# Altium PCB InsaneKeyboard.PcbDoc (part 3 of 3) (continued)
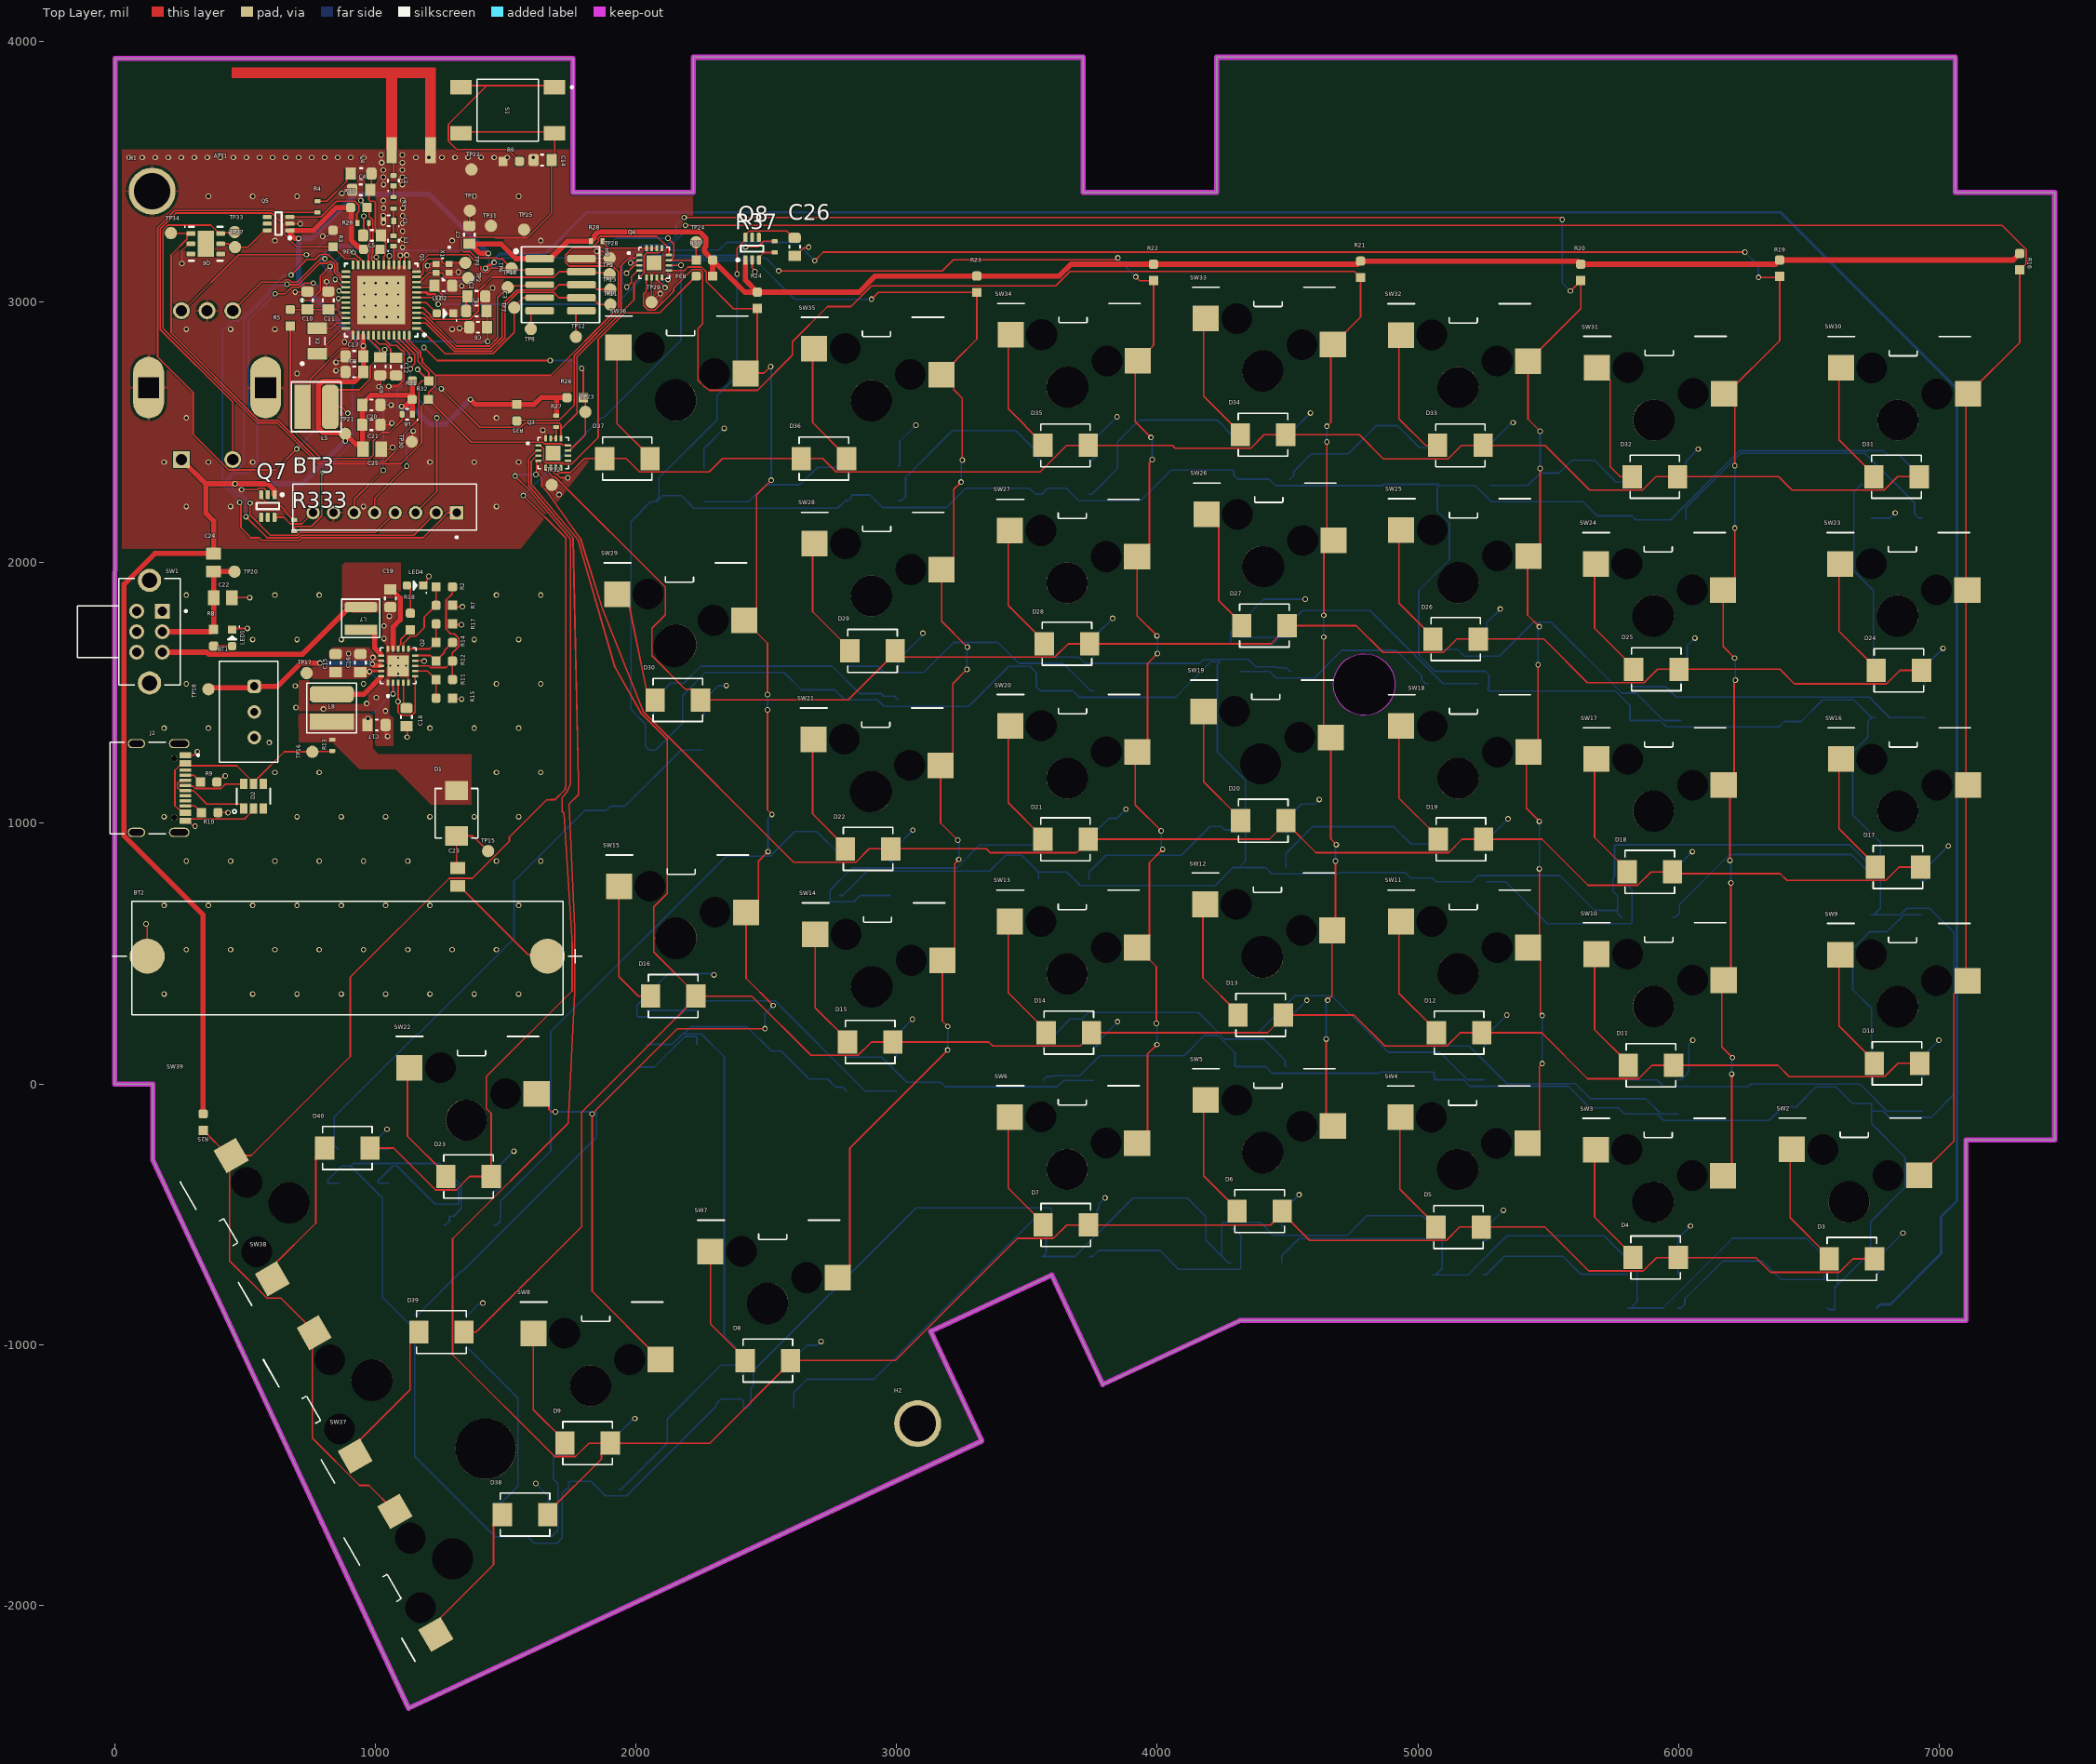
[diagram p0: Top Layer view]
## Nets (pads, with @x,y where several pads share a name; then routed paths per layer and width w, separated by ;. In a path a pad name is that pad's centre, name@x,y a point inside that pad or via, vN(x,y) a via of type N, cw(c..) or ccw(c..) an arc to the next point about the centre after c; other vN are vias at no path point) (continued)
  Bottom Layer w6: v2(480,2231) 413.94,2297.06 413.94,2888.69 452.05,2926.8 476.42,2926.8 588.5,3038.87 588.5,3042.39 646.11,3100 649.63,3100 652.63,3103 v4(677,3103)
  other v2: 677,3103
  other v3: 480,2231 677,3103
  other v4: 480,2231
RADIO_PA2: BT3.2 Q1.27 | length 2170.2
  Top Layer w6: v2(504,2176) 584.53,2095.47 705.55,2095.47 715.55,2105.47 1147.98,2105.47 BT3.2@1233.85,2191.35 ; v4(661.69,3067.69) 663.24,3066.13 705.1,3066.13 786.72,3147.75 814,3147.75 819.75,3153.5 834.25,3153.5 844.5,3143.25 844.5,3128.75 843.53,3127.78 843.53,3113.73 863.6,3093.66 863.6,3089.17 863.86,3088.9 863.86,3087.86 875.72,3076 Q1.27@887.53,3076
  Bottom Layer w6: v2(504,2176) 502.5,2177.5 502.5,2233.25 480.19,2255.56 469.58,2255.56 428.06,2297.09 428.06,2320.95 460.61,2353.5 467.35,2353.5 497,2383.15 497,2933.23 598.5,3034.73 598.5,3038.25 623.19,3062.94 658.17,3062.94 661.69,3066.45 v4(661.69,3067.69)
  other v2: 661.69,3067.69
  other v3: 504,2176 661.69,3067.69
  other v4: 504,2176
RADIO_PA3: BT3.4 Q1.28 | length 1960
  Top Layer w6: v3(520,2228) 520,2184.75 521.5,2183.25 521.5,2181.42 597.45,2105.47 701.4,2105.47 711.4,2115.47 1000.5,2115.47 BT3.4@1076.37,2191.35 ; v4(616,3031) 654.6,3031 679.73,3056.13 709.24,3056.13 719.24,3066.13 724.28,3066.13 730.21,3072.07 v2(762.37,3072.07) ; v2(846.36,3086.15) 846.36,3085.67 875.72,3056.31 Q1.28@887.53,3056.31
  Bottom Layer w6: v3(520,2228) 520,2229.89 484.33,2265.56 473.72,2265.56 438.06,2301.23 438.06,2316.81 464.75,2343.5 513.25,2343.5 547.5,2377.75 547.5,2550.44 513.35,2584.58 513.35,2928.35 v4(616,3031) ; v2(762.37,3072.07) 765.82,3072.07 777.88,3060 820.75,3060 846.36,3085.61 v2(846.36,3086.15)
  other v2: 520,2228 616,3031
  other v3: 616,3031 762.37,3072.07 846.36,3086.15
  other v4: 520,2228 762.37,3072.07 846.36,3086.15
RADIO_PA4: Q1.29 Q4.11 R30.1 TP24.1 | length 1933.1
  Top Layer w6: v1(860.63,3042.18) 864.06,3038.75 885.41,3038.75 Q1.29@887.53,3036.63 ; v1(2123,3244.31) 2145.31,3222 2145.31,3171.96 Q4.11@2133.19,3159.84 ; Q4.11@2126.5,3159.84 Q4.11@2133.19,3159.84 ; TP24.1@2231,3229 2231,3161.5 R30.1@2231.5,3161 2230.35,3159.84 Q4.11@2133.19,3159.84
  Bottom Layer w6: v1(860.63,3042.18) 868.88,3050.42 868.88,3097.88 848.25,3118.5 819.75,3118.5 790.5,3147.75 790.5,3156.75 789.25,3158 789.25,3172.5 799.5,3182.75 802,3182.75 836.87,3217.62 928.77,3217.62 940.39,3206 963.75,3206 973.75,3196 1112.25,3196 1113.25,3197 1398.25,3197 1437.75,3157.5 1437.75,3144.5 1448.75,3133.5 1463.25,3133.5 1473.5,3143.75 1473.5,3154.75 1487.25,3168.5 1848.25,3168.5 1924.06,3244.31 v1(2123,3244.31)
  other v1: 860.63,3042.18 860.63,3042.18 2123,3244.31 2123,3244.31
RADIO_PA5: Q1.30 Q3.11 R26.1 TP23.1 | length 1473.7
  Top Layer w6: v1(858.74,3012.84) 862.44,3016.54 887.12,3016.54 Q1.30@887.53,3016.94 ; v1(1187,2825) 1237,2775 v1(1671,2775) ; Q3.11@1739.5,2429.84 1746.19,2429.84 1806,2489.65 1806,2625.5 R26.1@1798.5,2633 1798.5,2738.5 v1(1792,2745)
  Bottom Layer w6: v1(858.74,3012.84) 858.74,2969.58 1028.97,2799.34 1161.34,2799.34 v1(1187,2825) ; v1(1671,2775) 1762,2775 v1(1792,2745)
  other v1: 1792,2745 1792,2745 1671,2775 1671,2775 1187,2825 1187,2825 858.74,3012.84 858.74,3012.84
RADIO_PB11: Q1.31
RADIO_PB12: Q1.32
RADIO_PB13: Q1.33
RADIO_PB14: Q1.35 X2.2 | length 118.5
  Top Layer w6: X2.2@777,2899.21 832.85,2899.21 852.15,2918.52 Q1.35@887.53,2918.52
RADIO_PB15: Q1.36 X2.1 | length 160
  Top Layer w6: X2.1@777,2800.79 792.75,2800.79 811.4,2819.44 811.4,2834.52 875.72,2898.83 Q1.36@887.53,2898.83
RADIO_PC6: BT3.6 Q1.43 | length 828
  Top Layer w6: BT3.6@918.89,2191.35 918.89,2241.89 v3(1031,2354) ; Q1.43@1032.61,2871.87 1032.61,2860.05 1059.18,2833.48 1081.4,2833.48 1101.75,2813.13 1106.52,2813.13 1110.62,2809.03 1110.62,2700.73 1085.92,2676.03 v3(1051.86,2676.03)
  Bottom Layer w6: v3(1031,2354) 1031,2595.75 1043.48,2608.23 1043.48,2637.94 1051.86,2646.32 v3(1051.86,2676.03)
  other v2: 1031,2354 1051.86,2676.03
  other v4: 1031,2354 1051.86,2676.03
RADIO_PC7: Q1.44
RADIO_PC8: BT3.5 Q1.45 | length 799.6
  Top Layer w6: BT3.5@997.63,2191.35 997.63,2246.63 v2(1121,2370) ; Q1.45@1071.98,2871.87 1071.98,2860.05 1108.9,2823.13 1110.66,2823.13 1132.12,2801.67 v3(1132.12,2778.23)
  Bottom Layer w6: v2(1121,2370) 1121,2565.05 1110.55,2575.51 1099.74,2575.51 1083.5,2591.75 1083.5,2660.68 1101.14,2678.32 1101.14,2747.25 v3(1132.12,2778.23)
  other v2: 1132.12,2778.23
  other v3: 1121,2370
  other v4: 1121,2370 1132.12,2778.23
RADIO_PC9: BT3.3 Q1.46 | length 788.1
  Top Layer w6: Q1.46@1091.66,2871.87 1091.66,2860.05 1097.23,2854.49 1097.23,2852.71 1114.8,2835.13 1115.63,2835.13 1151.62,2799.15 1151.62,2762.44 1135,2745.82 v4(1135,2743) ; BT3.3@1155.11,2191.35 1236,2272.24 v3(1236,2555)
  Bottom Layer w6: v4(1135,2743) 1135,2656 v3(1236,2555)
  other v2: 1236,2555 1135,2743
  other v3: 1284,2457 1135,2743
  other v4: 1236,2555
RADIO_PC10: Q1.47 Q3.13 Q4.13 Q6.1 R32.1 TP34.1 | length 3765.6
  Top Layer w6: TP34.1@216,3264 216.82,3263.19 292.1,3263.19 Q6.1@292.91,3262.37 ; Q6.1@285.04,3262.37 279.18,3256.51 279.18,3242.16 217.09,3180.08 217.09,2880.84 552.05,2545.89 627.14,2545.89 783.97,2389.06 1038.81,2389.06 1109.38,2459.63 1109.38,2493.13 1167.22,2550.97 1167.22,2684 1180.22,2697 R32.1@1205.5,2697 ; Q1.47@1111.35,2871.87 1111.35,2860.05 1121.03,2850.37 1121.03,2846.71 1163.62,2804.12 1163.62,2771.48 1205.5,2729.6 R32.1@1205.5,2697 ; v1(1162.5,2740.5) 1190.78,2711.72 R32.1@1205.5,2697 ; v1(1253.5,2666.5) 1401.21,2518.79 1558.43,2518.79 1574.51,2534.87 1706.4,2534.87 1712.81,2528.47 1712.81,2507.03 1712.53,2506.75 Q3.13@1712.53,2476.5 ; 1712.81,2511.5 1773.78,2572.47 1773.78,2789.17 1992.5,3007.89 1992.5,3071.61 2032.32,3111.43 2032.32,3179.3 2040.7,3187.68 2087.41,3187.68 2099.53,3199.8 Q4.13@2099.53,3206.5
  Bottom Layer w6: v1(1162.5,2740.5) 1234,2669 1251,2669 v1(1253.5,2666.5)
RADIO_PC11: Q1.48 Q3.12 Q4.12 Q6.6 R31.1 TP33.1 | length 4675.4
  Top Layer w6: TP33.1@461,3268 458.18,3265.19 397.17,3265.19 394.24,3268.12 394.24,3269.37 368.99,3294.62 203.32,3294.62 185.38,3276.68 185.38,2898.42 547.91,2535.89 623,2535.89 779.82,2379.06 1098.37,2379.06 1177.22,2457.91 1177.22,2598.72 R31.1@1204.5,2626 ; Q1.48@1131.03,2871.87 1131.03,2850.85 1173.62,2808.26 1173.62,2788.46 1181.12,2780.96 1181.12,2768.12 1231.21,2718.03 ; Q3.12@1739.5,2449.53 1737.72,2451.3 1718.68,2451.3 1714.44,2455.54 1648.35,2455.54 1642.24,2461.65 1368.85,2461.65 R31.1@1204.5,2626 ; Q4.12@2126.5,3179.53 2126.5,3205.61 2080.29,3251.81 1863.19,3251.81 1856.78,3245.4 1856.78,3231.85 1830.43,3205.5 1755.35,3205.5 1729,3179.15 1729,3152.85 1744.35,3137.5 1886.19,3137.5 1887.07,3136.62 1911.68,3136.62 1932.62,3115.68 1932.62,2977.32 1673.34,2718.03 1231.21,2718.03 ; R31.1@1204.5,2626 1204.5,2652.72 1216.83,2665.05 1218.88,2665.05 1231.21,2677.38 1231.21,2718.03
RADIO_PD10: MT1.B Q1.19 R36.1 | length 744.6
  Top Layer w6: MT1.B@453.42,2966.28 563.28,3076.13 645.38,3076.13 654.44,3085.19 668.93,3085.19 677.99,3076.13 700.96,3076.13 790.08,3165.25 v1(806.75,3165.25) ; Q1.19@1012.92,3142.34 1012.92,3154.15 1004,3163.07 1004,3187.74 R36.1@1018.28,3202.01
  Bottom Layer w6: v1(806.75,3165.25) 849.12,3207.62 924.62,3207.62 936.24,3196 957.14,3196 984.14,3169 1001,3169 v1(1004.03,3171.98)
  other v1: 806.75,3165.25 806.75,3165.25 1004.03,3171.98 1004.03,3171.98
RADIO_PD11: MT1.A Q1.20 R33.1 | length 1154.4
  Top Layer w6: MT1.A@256.57,2966.28 261.58,2966.28 476.31,3181 v1(736,3181) ; v1(945,3389) 945,3385.72 969.72,3361 976.5,3361 976.5,3326.35 981.03,3321.81 984.12,3321.81 990.53,3315.4 990.53,3230.39 990,3229.86 990,3182.45 986.53,3178.97 986.53,3160.86 993.24,3154.15 Q1.20@993.24,3142.34
  Bottom Layer w6: v1(736,3181) 752.75,3181 951.13,3379.38 951.13,3384.35 946.47,3389 v1(945,3389)
  other v1: 736,3181 736,3181 945,3389 945,3389
RADIO_PD12: Q1.21 R29.2 | length 170.5
  Top Layer w6: Q1.21@973.55,3142.34 973.55,3180.14 980,3186.59 980,3217.44 974.2,3223.24 974.2,3228.21 980.24,3234.24 980.24,3275.76 975.24,3280.76 975.24,3302.58 R29.2@975.65,3303
RADIO_PD13: Q1.22 R333.2 | length 1483.1
  Top Layer w6: R333.2@689,2120.35 689,2135.26 692.51,2138.78 755.16,2138.78 794.16,2177.78 794.16,2336.88 801.11,2343.83 v2(801.11,2347.89) ; v2(719.4,3006.24) 754.23,3006.24 789.38,3041.38 789.38,3098.38 v2(827,3136) ; v4(916,3190) 935.23,3170.77 937.24,3170.77 953.87,3154.15 Q1.22@953.87,3142.34
  Bottom Layer w6: v2(719.4,3006.24) 747.1,3006.24 912.5,2840.83 912.5,2459.28 v2(801.11,2347.89) ; v2(827,3136) 881.12,3190.12 915.88,3190.12 v4(916,3190) v2@917,3190
  other v2: 916,3190
  other v3: 916,3190
RADIO_PD14: MT1.2 Q1.23 R3.1 | length 1892.8
  Top Layer w6: MT1.2@453.42,2395.41 453.42,2616.23 175.38,2894.28 175.38,3280.83 235.02,3340.46 604,3340.46 647.59,3296.88 647.59,3263.16 699.25,3211.5 R3.1@838,3211.5 883.11,3166.4 921.93,3166.4 934.18,3154.15 Q1.23@934.18,3142.34
RADIO_PD15: Q1.24
RADIO_PF0: H9.7 Q1.1 TP7.1 | length 659
  Top Layer w6: Q1.1@1158,2898.83 1169.81,2898.83 1268.15,2800.5 1450.68,2800.5 1533,2882.82 TP7.1@1533,2978 ; TP7.1@1529.62,2985.62 1536.62,2985.62 1567,3016 H9.7@1631,3016
RADIO_PF1: H9.8 Q1.2 TP11.1 | length 974
  Top Layer w6: Q1.2@1158,2918.52 1194.77,2918.52 1302.79,2810.5 1446.53,2810.5 1497.11,2861.08 1497.11,2985.42 1547.69,3036 1685.09,3036 1705.09,3016 1831.5,3016 1857.5,2990 TP11.1@1902,2990
RADIO_PF2: H9.6 Q1.3 TP13.1 | length 974.7
  Top Layer w6: Q1.3@1158,2938.2 1189.23,2938.2 1306.94,2820.5 1442.39,2820.5 1487.11,2865.22 1487.11,2989.56 1543.55,3046 1685.09,3046 1705.09,3066 1832.98,3066 1850.98,3048 TP13.1@1902,3048
RADIO_PF3: H9.5 Q1.4 TP10.1 | length 714.5
  Top Layer w6: Q1.4@1158,2957.89 1183.93,2957.89 1202.01,2939.81 1202.01,2939.56 1311.08,2830.5 1438.25,2830.5 1469.31,2861.57 1469.31,3017.04 1513.27,3061 1626,3061 H9.5@1631,3066
RADIO_PF4: H9.4 Q1.5 TP9.1 | length 887.7
  Top Layer w6: Q1.5@1158,2977.57 1183.93,2977.57 1212.01,2949.49 1212.01,2943.71 1222.47,2933.25 1364.32,2933.25 1395.76,2964.69 1395.76,3041.76 1448.51,3094.5 1684.65,3094.5 1706.15,3116 H9.4@1791,3116 1796,3111 1894,3111 TP9.1@1899,3106
RADIO_PF5: LED2.A Q1.6 | length 95.6
  Top Layer w6: Q1.6@1158,2997.26 1195.24,2997.26 LED2.A@1236.5,2956
RADIO_PF6: Q1.7 R37.2 | length 1514.3
  Top Layer w6: Q1.7@1158,3016.94 1216.56,3016.94 1235.5,2998 1235.5,2997.43 v3(1241.91,2991.02) ; v6(2421,3211) 2468.47,3211 2490.12,3232.65 R37.2@2532,3232.65
  Bottom Layer w6: v3(1241.91,2991.02) 1923.77,2991.02 2015.35,3082.6 2015.35,3132.35 2061.5,3178.5 2388.5,3178.5 v6(2421,3211)
  other v2: 1241.91,2991.02 2421,3211
  other v3: 2421,3211
  other v6: 1241.91,2991.02
RADIO_PF7: LED.4-DIN Q1.8 | length 10015.7
  Top Layer w10: Q1.8@1158,3036.63 1195.89,3036.63 1203.14,3029.38 1226.65,3029.38 1240.02,3016 v2(1243,3016) ; v6(1422.96,3128.96) 1435,3141 1443.02,3141 1453.02,3151 v4(1456,3151)
  Bottom Layer w10: v2(1243,3016) 1245,3016 1310,3081 1375,3081 v6(1422.96,3128.96) ; v4(1456,3151) 1458.1,3153.1 1458.1,3164.1 1478,3184 1651,3184 1810.5,3343.5 6391.74,3343.5 7068.06,2667.19 7068.06,-449.17 7007.85,-509.38 7007.85,-650.38 6812.98,-845.24 6798.98,-845.24 6774.17,-845.24 LED.4-DIN@6761.46,-857.96
  other v2: 1456,3151
  other v3: 1243,3016 1422.96,3128.96 1456,3151
  other v4: 1243,3016 1422.96,3128.96
RESET: C14.1 H9.3 Q1.12 S1.3 S1.4 TP6.1 | length 1901.7
  Top Layer w6: Q1.12@1158,3115.37 1167.25,3115.37 1169.37,3117.49 1169.37,3146.26 1203.73,3180.62 1358.68,3180.62 1405.46,3133.85 1405.46,3121.71 1415.71,3111.46 1430.21,3111.46 1440.46,3121.71 1440.46,3129 TP6.1@1523,3129 ; S1.4@1328.87,3646.42 1334.87,3652.42 1681.13,3652.42 1688.13,3645.42 1688.13,3555.69 C14.1@1676.45,3544 1676.45,3339.14 1583.68,3246.38 1460.51,3246.38 1457.65,3249.24 1334.48,3249.24 1330.38,3245.14 1330.38,3199.97 1337.72,3192.62 1363.65,3192.62 1387.78,3168.5 1464.75,3168.5 1468.75,3164.5 1483.25,3164.5 1485.37,3166.63 TP6.1@1523,3129 ; H9.3@1631,3116 1624.5,3122.5 1529.5,3122.5 TP6.1@1523,3129
TEMP_LOAD_SW: Q5.6 Q6.5 TP27.1 | length 210.7
  Top Layer w6: Q6.5@407.09,3223 437.84,3223 450.84,3210 511.44,3210 575.85,3274.41 Q5.6@585.69,3274.41
USB_D_N: D2.1 J2.A7 J2.B7 | length 341.7
  Top Layer w6: J2.B7@271,1164.69 268.09,1161.78 249.53,1161.78 241.56,1153.8 241.56,1136.2 245.66,1132.09 247.69,1132.09 254.46,1125.32 302.86,1125.32 354.1,1074.08 484.81,1074.08 495.59,1063.3 D2.1@495.59,1057.39
USB_D_P: D2.6 J2.A6 J2.B6 | length 236.4
  Top Layer w6: J2.A6@271,1145 273.91,1142.09 300.23,1142.09 308.88,1133.44 407.91,1133.44 424.88,1150.4 D2.6@495.59,1150.4
USB_VCC: D2.5 J2.A4_B9 J2.B4_A9 R13.2 TP16.1 | length 892.8
  Top Layer w6: J2.B4_A9@271,1040.67 260.37,1040.67 247.69,1053.35 245.66,1053.35 231.56,1067.46 231.56,1202.86 249.53,1220.84 262.19,1220.84 J2.A4_B9@271,1229.65 279.81,1220.84 468.52,1220.84 522.21,1167.14 522.21,1161.18 D2.5@532.99,1150.4 532.99,1156.31 549.61,1172.93 549.61,1172.99 650.63,1274 TP16.1@759,1274 760.74,1275.73 833.12,1275.73 R13.2@834.86,1277.47
VBAT: BT1.1 Q2.18 TP18.1 | length 711.6
  Top Layer w20: TP18.1@360,1514 365.21,1519.21 529.79,1519.21 BT1.1@536,1525.43 625.36,1525.43 714.55,1614.62 v1(788.38,1614.62) ; v1(989,1611) 995.04,1604.96 Q2.18@1021.23,1604.96
  Bottom Layer w6: v1@985.38,1614.62 v1(989,1611)
  Bottom Layer w20: v1(788.38,1614.62) 985.38,1614.62 v1@988.67,1611.33
  other v1: 989,1611 989,1611 788.38,1614.62 788.38,1614.62
VBAT_OK: Q2.13 R18.1 | length 93
  Top Layer w6: Q2.13@1088,1668.96 1089.72,1670.68 1089.72,1677.77 1097.68,1685.73 1097.68,1705.19 R18.1@1135,1742.5
VDCDC: C6.1 C9.1 L3.1 L5.2 Q1.40 R4.1 | length 3296
  Top Layer w6: v1(698.57,2435.57) 618.93,2355.93 437.07,2355.93 301.22,2491.78 301.22,2652.84 165.38,2788.68 165.38,3284.97 230.87,3350.46 608.14,3350.46 615.26,3343.35 R4.1@779,3343.35 ; v1(895,2573) 871,2597 L5.2@827.3,2597 827.3,2635.37 854.82,2662.9 939.55,2662.9 981.13,2704.48 981.13,2753.52 1015.06,2787.45 1019.54,2787.45 1036.22,2804.13 v1(1036.22,2816.84) ; Q1.40@973.55,2871.87 973.55,2860.05 1017,2816.61 C9.1@1017,2789.45 ; L3.1@1427.37,2965 1429.4,2962.97 C6.1@1429.4,2902.56 1431,2900.95 v1(1431,2848)
  Bottom Layer w6: v1(698.57,2435.57) 836,2573 v1(895,2573) ; v1(1036.22,2816.84) 1067.38,2848 v1(1431,2848)
  other v1: 698.57,2435.57 698.57,2435.57 895,2573 895,2573 1036.22,2816.84 1036.22,2816.84 1431,2848 1431,2848
VMCU: C7.1 C8.1 C13.1 C20.1 C21.1 C24.2 C25.1 H9.1 L6.1 MT1.1 Q1.39 Q1.42 Q5.1 Q7.1 Q8.1 R16.2 R19.2 R20.2 R21.2 R22.2 R23.2 R24.2 R25.2 R26.2 R27.1 R28.1 R30.2 R31.2 R32.2 R33.2 R34.1 R35.1 R36.2 TP21.1 | length 14256.1
  Top Layer w20: MT1.1@256.57,2395.41 349.98,2302 ; R25.2@340,-115 340,648.27 36.53,951.74 36.53,1917.08 154.45,2035 C24.2@380,2035 380,2159.91 349.98,2189.93 349.98,2302 ; 577.92,2302.02 546.9,2302.02 349.98,2302 ; 577.94,2302 589.39,2302 611.46,2279.93 611.46,2262.43 Q7.1@613.59,2260.31 ; Q5.1@672.31,3274.41 763.69,3274.41 851.28,3362 R33.2@905.72,3362 907.96,3359.77 907.96,3236.26 928.83,3215.38 935.13,3215.38 935.13,3211.38 936.77,3209.73 947.57,3209.73 R36.2@955.28,3202.01 ; Q5.1@672.81,3272.28 672.81,3261.98 691.6,3243.19 705.81,3243.19 v1(706,3243) ; v1(885,2466.43) TP21.1@885,2494 ; C25.1@951.95,2442.5 951.95,2527.6 C21.1@950.55,2529 950.55,2608.94 984.24,2642.62 1124.88,2642.62 R31.2@1141.5,2626 ; C25.1@953.35,2435 953.35,2441.1 940.52,2453.94 925.06,2453.94 TP21.1@885,2494 ; Q1.39@953.87,2871.87 953.93,2871.8 953.93,2831.07 954.19,2830.81 954.19,2791.26 C13.1@954.45,2791 954.45,2727.06 920.76,2693.38 861.13,2693.38 858.86,2695.65 799.23,2695.65 781.8,2678.22 781.8,2515.78 800.65,2496.93 882.07,2496.93 TP21.1@885,2494 ; v4(1101,2599) 1101.19,2599.19 1114.7,2599.19 R31.2@1141.5,2626 ; L6.1@1142.09,2571.6 1142.09,2625.41 R31.2@1141.5,2626 ; R32.2@1142.5,2697 1142,2696.5 1142,2626.5 R31.2@1141.5,2626 ; C7.1@1361,3222.55 C7.1@1364.94,3222.55 ; v2(1365,2626) 1384.5,2606.5 R35.1@1543,2606.5 1609.73,2606.5 1636.24,2633 1695.25,2633 ; v1(1434,3186) 1433.81,3186.19 1401.3,3186.19 C7.1@1364.94,3222.55 ; R27.1@1694,2563.31 1695.25,2564.56 1695.25,2633 ; R26.2@1735.5,2633 1695.25,2633 ; R28.1@1826.22,3233 1738.5,3233 1676,3170.5 1635.5,3170.5 H9.1@1631,3166 1539.21,3166 1482.65,3222.55 C7.1@1364.94,3222.55 ; R28.1@1830.47,3234.81 1839.78,3244.12 1839.78,3252.45 1856.15,3268.81 2244.39,3268.81 2268.62,3244.58 2268.62,3213.42 2263.64,3208.43 2263.64,3191.86 R30.2@2294.5,3161 R34.1@2294.5,3099 ; R30.2@2295,3160.5 2418,3037.5 R24.2@2466,3037.5 ; Q8.1@2420.41,3160.69 2420.41,3083.09 R24.2@2466,3037.5 ; R16.2@7309,3185.5 7284,3160.5 R19.2@6388,3160.5 6372,3144.5 R20.2@5625,3144.5 5613,3156.5 R21.2@4780,3156.5 4768,3144.5 3669.5,3144.5 3624.5,3099.5 2918,3099.5 2856,3037.5 R24.2@2466,3037.5
  Bottom Layer w20: v1(462.03,2302) 720.57,2302 v1(885,2466.43) ; v1(954,2831) 706,3079 v1(706,3243) 755.35,3243 925.85,3413.5 1206.5,3413.5 v1(1434,3186) ; v4(1101,2599) 1107,2593 1146,2593 1208.5,2530.5 1269.5,2530.5 v2(1365,2626)
  other v2: 1101,2599
  other v3: 1101,2599 1365,2626
  other v4: 1365,2626
VOUT: C19.1 L7.2 Q2.14 SW1.3 | length 1097.6
  Top Layer w20: SW1.3@183.21,1656.11 353.85,1656.11 361.67,1648.28 720.98,1648.28 901.69,1829 L7.2@945,1829 ; C19.1@1058,1897.45 1061.94,1897.45 1095.62,1863.76 1095.62,1780.92 1068.31,1753.61 Q2.14@1068.31,1668.96
VSTOR: C15.1 C16.1 Q2.3 Q2.6 Q2.19 TP17.1 | length 551.4
  Top Layer w6: v2(977.69,1581.69) 980.31,1584.31 Q2.19@1023.04,1584.31 ; v4(1087.44,1466.81) v2@1090.25,1464 ; v2@1088,1464 1088,1425.82 1099.14,1414.67 1140.65,1414.67 1152.96,1426.98 Q2.6@1152.96,1564.63 ; v2@1088,1466.81 Q2.3@1088,1539.04
  Bottom Layer w6: v2(977.69,1581.69) 1016.92,1542.47 1046.77,1542.47 1088,1501.25 1088,1467.37 v4(1087.44,1466.81)
  other v2: 1087.44,1466.81
  other v3: 1087.44,1466.81 977.69,1581.69
  other v4: 977.69,1581.69
pads on no net: BT1.2 D2.3 D2.4 J2. J2.A8 J2.B8 LED41.2-DOUT Q1.13 Q2. Q3.17 Q4.17 Q5.4 Q5.5 Q6. Q6.3 Q6.4 Q7.4 Q7.5 Q8.4 Q8.5 SW1.1 SW1.4 SW1.5 SW1.6 SW1.S1 SW1.S2 SW2.4 SW2.5 SW2.8 SW3.4 SW3.5 SW3.8 SW4.4 SW4.5 SW4.8 SW5.4 SW5.5 SW5.8 SW6.4 SW6.5 SW6.8 SW7.4 SW7.5 SW7.8 SW8.4 SW8.5 SW8.8 SW9.4 SW9.5 SW9.8 SW10.4 SW10.5 SW10.8 SW11.4 SW11.5 SW11.8 SW12.4 SW12.5 SW12.8 SW13.4 SW13.5 SW13.8 SW14.4 SW14.5 SW14.8 SW15.4 SW15.5 SW15.8 SW16.4 SW16.5 SW16.8 SW17.4 SW17.5 SW17.8 SW18.4 SW18.5 SW18.8 SW19.4 SW19.5 SW19.8 SW20.4 SW20.5 SW20.8 SW21.4 SW21.5 SW21.8 SW22.4 SW22.5 SW22.8 SW23.4 SW23.5 SW23.8 SW24.4 SW24.5 SW24.8 SW25.4 SW25.5 SW25.8 SW26.4 SW26.5 SW26.8 SW27.4 SW27.5 SW27.8 SW28.4 SW28.5 SW28.8 SW29.4 SW29.5 SW29.8 SW30.4 SW30.5 SW30.8 SW31.4 SW31.5 SW31.8 SW32.4 SW32.5 SW32.8 SW33.4 SW33.5 SW33.8 SW34.4 SW34.5 SW34.8 SW35.4 SW35.5 SW35.8 SW36.4 SW36.5 SW36.8 SW37.4 SW37.5 SW37.8 SW38.4 SW38.5 SW38.8 SW39.4 SW39.5 SW39.8

## Polygon pours and split planes (outlines as drawn)
GND on Top Layer "GND_L01_P006" (solid, remove dead copper, pour order 6): 29,3584 47,3584 1766,3584 1766,3415 1771.22,3420.22 2219,3420.22 2219,3355 2219,2763 2114,2763 1559,2054 29,2054
GND on Top Layer "GND_L01_P005" (solid, pour order 5): 1028,1799 1028,1853 1088,1853 1090,1855 1090,1725 1053,1688 1053,1660 1054,1659 1173,1620 1060,1620 1043,1637 1043,1680 1044,1681 1034,1691 1034,1694 1032,1694 1029,1697
NetC17_1 on Top Layer "NETC17_1_L01_P004" (solid, pour order 4): 706,1420 707,1421 979,1421 990,1410 990,1286 1012,1264 1367,1264 1372,1259 1369,1256 1369,1071 1214,1071 1078,1207 939,1207 835,1311 707.12,1311
VOUT on Top Layer "VOUT_L01_P003" (solid, pour order 3): 996,1807 878,1807 873,1812 873,1989 883,1999 1098,1999 1098,1885 1075,1862 1015,1862 1015,1807 1014,1808 987,1808
GND on Top Layer "GND_L01_P002" (solid, pour order 2): 825,1628 1012.36,1621 1035.36,1619 1035.36,1631.36 1012.36,1630.36 990.36,1656.36 977.36,1675.36 839.36,1675.36 820.36,1656.36
VSTOR on Top Layer "VSTOR_L01_P001" (solid, pour order 1): 763,1601 1000,1601 1011,1590 1035,1590 1035,1580 1034,1579 992,1579 963,1553 960,1553 759,1553 759,1613 775,1613
GND on Top Layer "GND_L01_P000" (solid, pour order 0): 707,1458 746,1458 746,1547 745,1548 707,1548 707,1482 707,1458 973,1458 973,1512 1018,1557 1043,1557 1043,1648 1040,1651 1042,1653 1130,1653 1130,1566 1134,1526 1121,1559 1052,1559 1056,1559 1054,1418 1072,1400 1070,1398 1070,1296 1008,1296 1007,1295 1000,1302 1000,1430 709,1430 707,1432
no net on Int1 (GND) (split plane): 1739.9,3914.65 1739.9,3584.06 21.77,3584.06 21.93,3914.65
GND on Int1 (GND) (split plane): 3695.77,3420.22 3696.16,3416.29 3697.3,3412.52 3699.16,3409.05 3701.66,3406 3704.71,3403.51 3708.18,3401.65 3711.95,3400.5 3715.87,3400.12 4227.68,3400.12 4231.6,3400.5 4235.37,3401.65 4238.85,3403.51 4241.89,3406 4244.39,3409.05 4246.25,3412.52 4247.39,3416.29 4247.78,3420.22 4247.78,3918.58 7042.23,3918.58 7042.23,3420.21 7042.62,3416.29 7043.76,3412.52 7045.62,3409.05 7048.12,3406 7051.16,3403.5 7054.64,3401.65 7058.41,3400.5 7062.33,3400.12 7422.74,3400.12 7422.74,-194.37 7103.08,-194.37 7099.16,-194.75 7095.39,-195.9 7091.91,-197.76 7088.87,-200.25 7086.37,-203.3 7084.51,-206.77 7083.37,-210.54 7082.98,-214.47 7082.98,-887.68 4317.45,-887.68 4317.01,-887.73 4316.58,-887.7 4315.06,-887.92 4313.53,-888.07 4313.11,-888.2 4312.68,-888.26 4311.23,-888.77 4309.76,-889.21 4309.37,-889.42 4308.96,-889.57 3801,-1126.43 3613.49,-724.31 3611.48,-720.92 3608.85,-717.99 3605.7,-715.62 3602.15,-713.92 3598.33,-712.94 3594.4,-712.73 3590.5,-713.28 3586.78,-714.59 3122.92,-930.89 3119.53,-932.9 3116.6,-935.53 3114.23,-938.68 3112.53,-942.23 3111.55,-946.05 3111.34,-949.98 3111.89,-953.88 3113.2,-957.6 3300.71,-1359.72 1137.82,-2368.29 813.55,-1672.88 497.42,-994.93 166.53,-285.34 166.53,-0.09 166.14,3.83 165,7.6 163.14,11.07 160.64,14.12 157.59,16.62 154.12,18.47 150.35,19.62 146.43,20 20.11,20 21.77,3577.94 1739.9,3577.94 1739.9,3420.22 1740.29,3416.3 1741.43,3412.53 1743.29,3409.05 1745.79,3406.01 1748.83,3403.51 1752.31,3401.65 1756.08,3400.51 1760,3400.12 2219.81,3400.12 2223.73,3400.51 2227.5,3401.65 2230.97,3403.51 2234.02,3406.01 2236.52,3409.05 2238.38,3412.53 2239.52,3416.3 2239.91,3420.22 2239.91,3918.58 3695.77,3918.58
no net on Int2 (GND) (split plane): 1739.9,3914.65 1739.9,3588.06 21.77,3588.06 21.93,3914.65
GND on Int2 (GND) (split plane): 3695.77,3420.22 3696.16,3416.29 3697.3,3412.52 3699.16,3409.05 3701.66,3406 3704.71,3403.51 3708.18,3401.65 3711.95,3400.5 3715.87,3400.12 4227.68,3400.12 4231.6,3400.5 4235.37,3401.65 4238.85,3403.51 4241.89,3406 4244.39,3409.05 4246.25,3412.52 4247.39,3416.29 4247.78,3420.22 4247.78,3918.58 7042.23,3918.58 7042.23,3420.21 7042.62,3416.29 7043.76,3412.52 7045.62,3409.05 7048.12,3406 7051.16,3403.5 7054.64,3401.65 7058.41,3400.5 7062.33,3400.12 7422.74,3400.12 7422.74,-194.37 7103.08,-194.37 7099.16,-194.75 7095.39,-195.9 7091.91,-197.76 7088.87,-200.25 7086.37,-203.3 7084.51,-206.77 7083.37,-210.54 7082.98,-214.47 7082.98,-887.68 4317.45,-887.68 4317.01,-887.73 4316.58,-887.7 4315.06,-887.92 4313.53,-888.07 4313.11,-888.2 4312.68,-888.26 4311.23,-888.77 4309.76,-889.21 4309.37,-889.42 4308.96,-889.57 3801,-1126.43 3613.49,-724.31 3611.48,-720.92 3608.85,-717.99 3605.7,-715.62 3602.15,-713.92 3598.33,-712.94 3594.4,-712.73 3590.5,-713.28 3586.78,-714.59 3122.92,-930.89 3119.53,-932.9 3116.6,-935.53 3114.23,-938.68 3112.53,-942.23 3111.55,-946.05 3111.34,-949.98 3111.89,-953.88 3113.2,-957.6 3300.71,-1359.72 1137.82,-2368.29 813.55,-1672.88 497.42,-994.93 166.53,-285.34 166.53,-0.09 166.14,3.83 165,7.6 163.14,11.07 160.64,14.12 157.59,16.62 154.12,18.47 150.35,19.62 146.43,20 20.11,20 21.77,3581.94 1739.9,3581.94 1739.9,3420.22 1740.29,3416.3 1741.43,3412.53 1743.29,3409.05 1745.79,3406.01 1748.83,3403.51 1752.31,3401.65 1756.08,3400.51 1760,3400.12 2219.81,3400.12 2223.73,3400.51 2227.5,3401.65 2230.97,3403.51 2234.02,3406.01 2236.52,3409.05 2238.38,3412.53 2239.52,3416.3 2239.91,3420.22 2239.91,3918.58 3695.77,3918.58

## Keep-outs
Keep-Out Layer:
  lines w20: 0.01,-0.09 146.43,-0.09 146.43,-289.8 479.2,-1003.43 795.33,-1681.38 1128.1,-2395 3327.42,-1369.44 3131.41,-949.1 3595.27,-732.8 3791.28,-1153.14 4317.45,-907.78 7103.08,-907.78 7103.08,-214.47 7442.84,-214.47 7442.84,3420.21 7062.33,3420.21 7062.33,3938.68 4227.68,3938.68 4227.68,3420.22 3715.87,3420.22 3715.87,3938.68 2219.81,3938.68 2219.81,3420.22 1758,3420.22 1758,3934 1.84,3934 0.01,-0.09

## Other copper
Int1 (GND) (plane layer: these items are gaps in the copper):
  lines w6: -5,3581 1753,3581
Int2 (GND) (plane layer: these items are gaps in the copper):
  lines w6: 11,3585 1760,3585

## Text inside footprints (layer, text, board x,y; h text height)
J2: Mechanical 13 "PCB EDGE" at 9.19,930.43 h24 r270